# Altium PCB IF GAIN.PcbDoc
Units mil, origin at the board's own origin, x right, y up, seen from the top; angles counter-clockwise.
Board outline 2063 x 2159 mil, 4 copper layers (Top Layer, GND, PWR, Bottom Layer), stack 60.593 mil thick; 41 components, 41 nets, 234 pads, 845 vias.
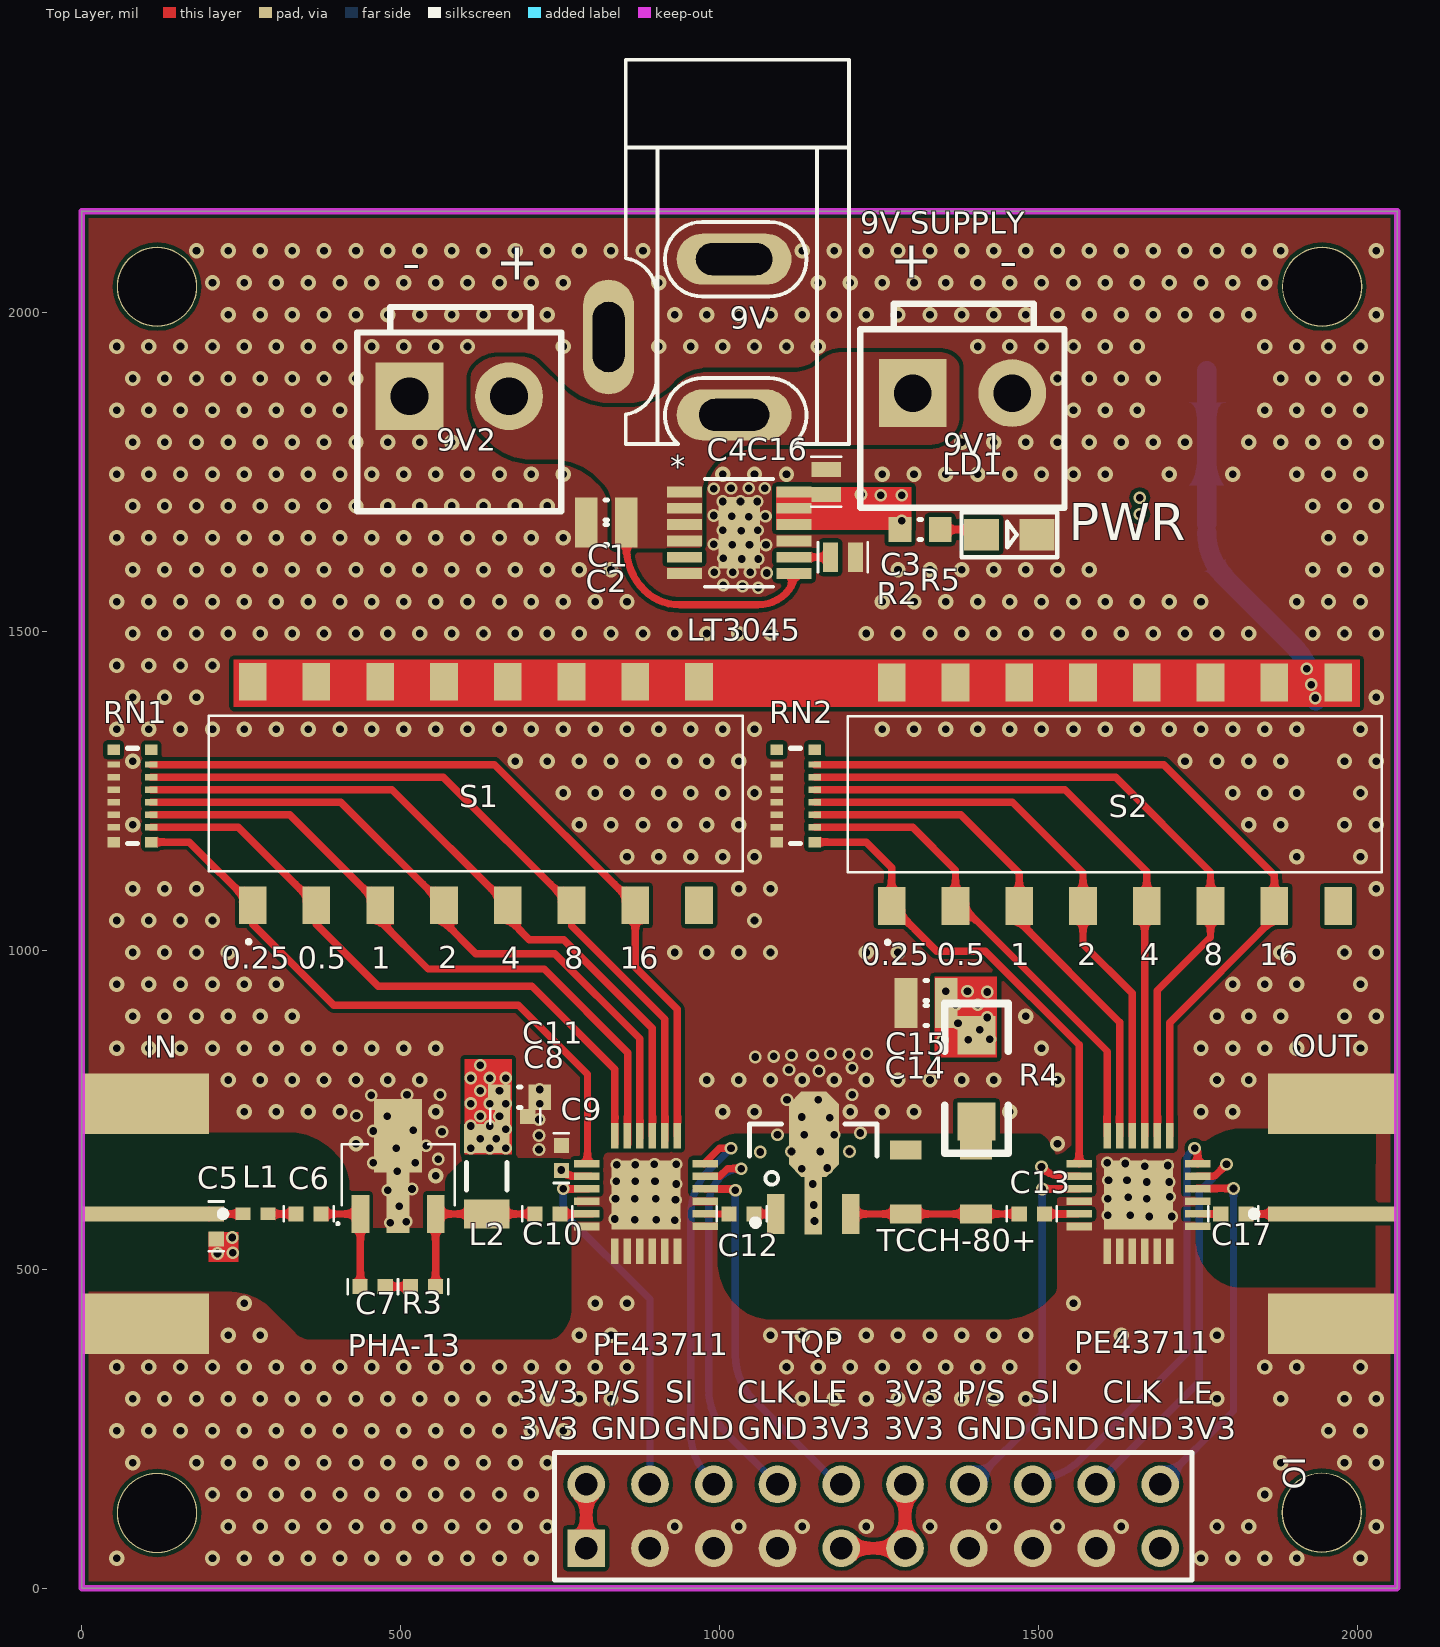
[diagram p0: Top Layer view]
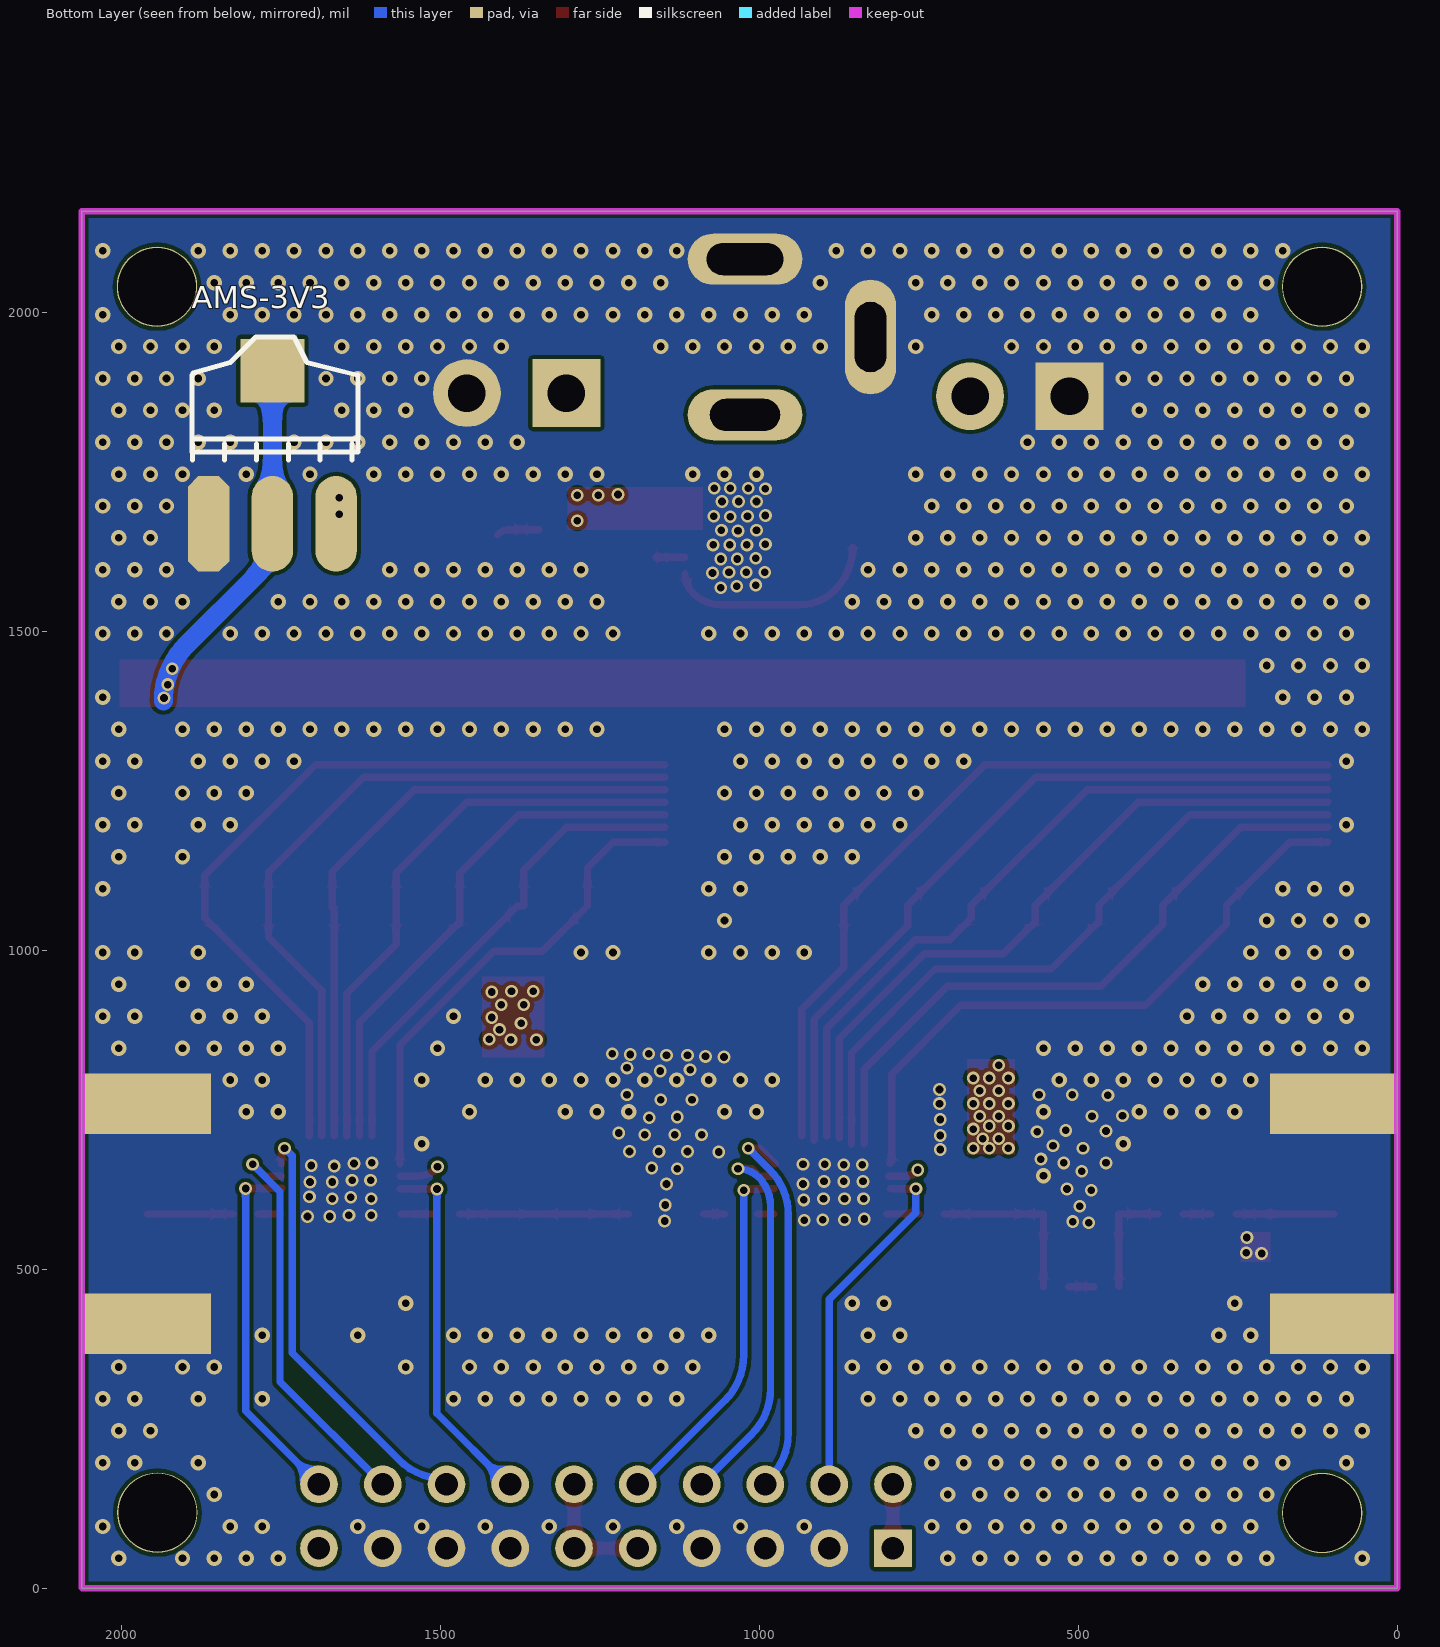
[diagram p1: Bottom Layer view, seen from below]
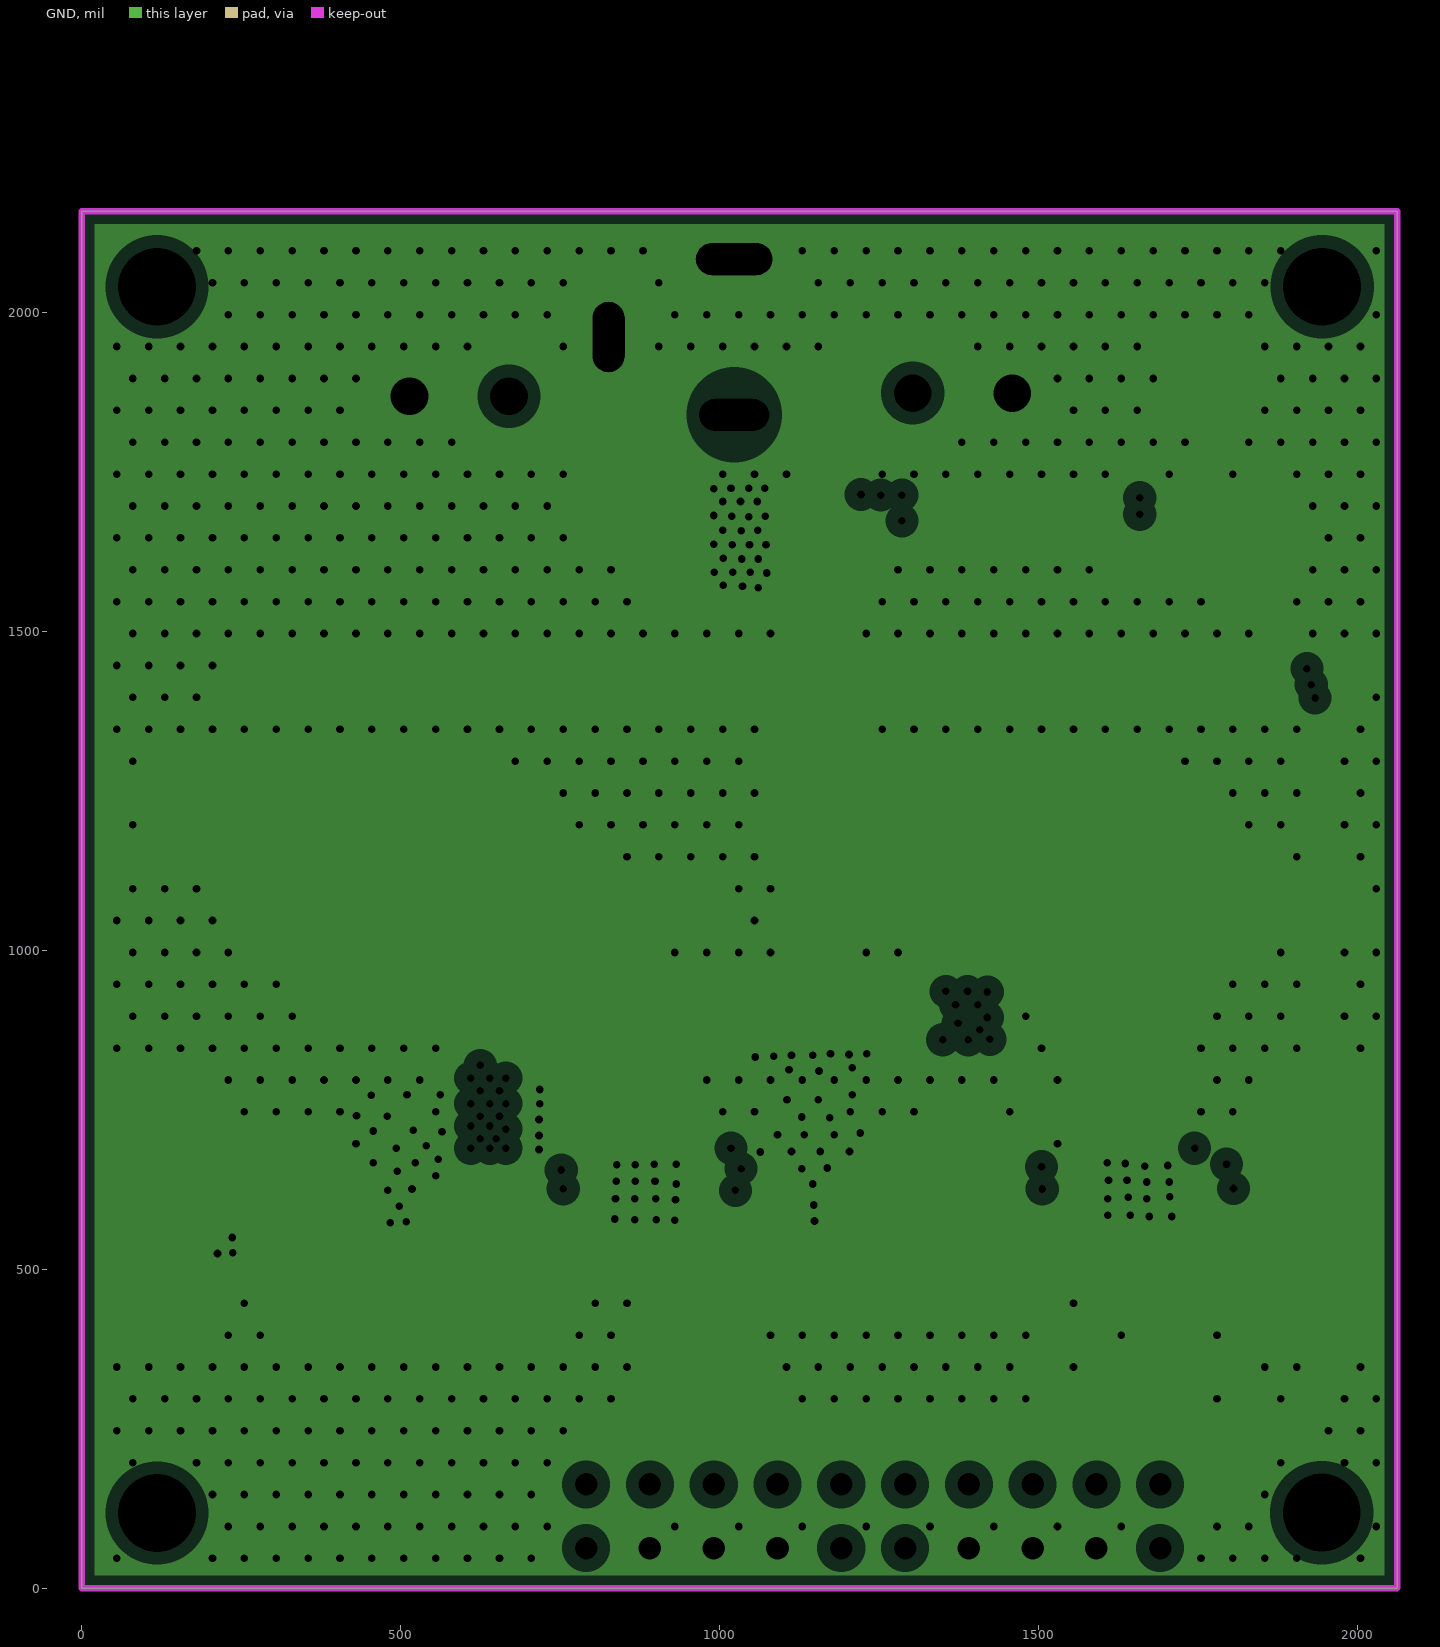
[diagram p2: GND, clearances drawn from the general rule]
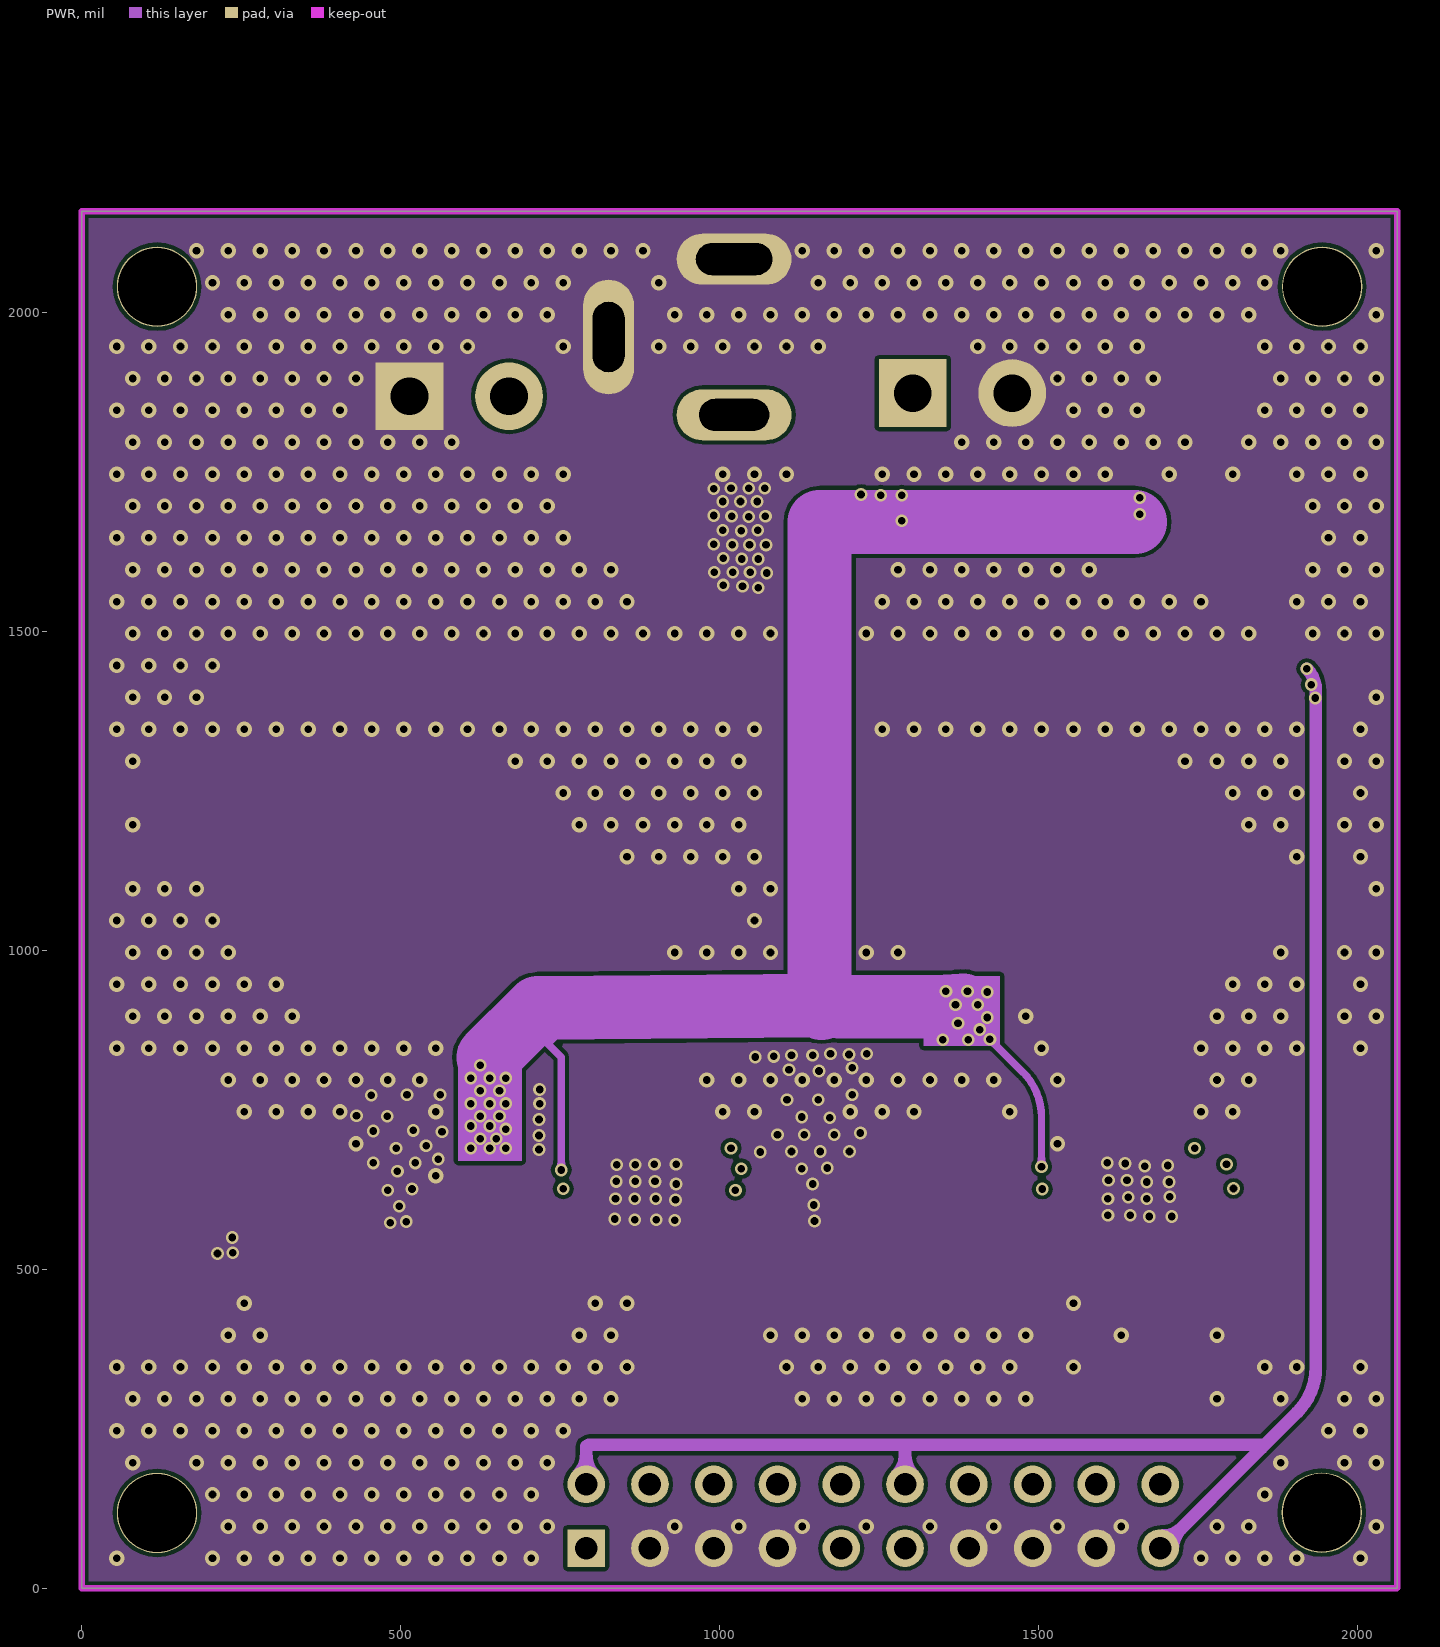
[diagram p3: PWR]

## Layer stack, top to bottom
Top Solder: solder mask 0.4, Solder Resist, Dk 3.5
Top Layer: signal copper 1.4
Dielectric 1: core 7.874, FR-4, Dk 4.2
GND: plane copper 0.0689, net GND
Dielectric 3: prepreg 41.9291, Dk 4.2
PWR: signal copper 0.0689
Dielectric 2: core 7.874, Dk 4.2
Bottom Layer: signal copper 1.378
Bottom Solder: solder mask 0.4, Solder Resist, Dk 3.5

## Board outline
0,0 0,2159 2063,2159 2063,1 2062,0

## Design rules (kind name [scope] priority, off if disabled: settings)
Clearance [All] p1: gap=6 ignorepadtopadclearanceinfootprint=FALSE except(0: Arc-Hole Track-Hole SMDPad-Hole THPad-Hole Via-Hole Fill-Hole Poly-Hole Region-Hole Text-Hole)
PlaneClearance [All] p1: clearance=20
PlaneConnect [All] p1: planeconnectstyle=Direct reliefexpansion=20 reliefentries=4 reliefconductorwidth=10 reliefairgap=10
PolygonConnect [All] p1: connectstyle=Direct reliefconductorwidth=10 reliefentries=4 polygonreliefangle="90 Angle" airgapwidth=10
RoutingVias [All] p1: holewidth=28 width=50 viastyle="Through Hole" minholewidth=28 minwidth=50 maxholewidth=28 maxwidth=50
SolderMaskExpansion [All] p1: expansion=4
Width Width_1 [InNet('5V')] p1: maxlimit=300 minlimit=10 preferedwidth=20
Width [All] p2: maxlimit=20 minlimit=10 preferedwidth=11.55
28 further rules are at their usual default settings.

## Components (designator, comment, footprint, x,y, rotation, side; value= is the part's Value field where it differs from the comment)
9V "DC005" DC10B 853,2259 r270 top locked
9V1 "3.96" 3.96 1380.95,1874 r0 top locked
9V2 "3.96" 3.96 592,1869 r0 top locked
AMS-3V3 "AMS1117-3.3" AMS1117 1864.03,1669.06 r180 bottom locked
C1 "10u" 0603C 822.5,1691 r180 top locked
C2 "4.7uF" 0603C 822.5,1652 r180 top locked
C3 "0.47uF" 0402#1 1213.37,1628 r180 top locked
C4 "10uF" 0402#1 1156,1754.37 r270 top locked
C5 "1.5pF" 0402#1 211,547.63 r90 top locked
C6 "2.2uF" 0402#1 375.37,587 r180 top locked
C7 "0.1uF" 0402#1 476,473 r180 top locked
C8 "1000pF" 0402#1 699.37,740 r180 top locked
C9 "10uF" 0603C 686.5,770 r180 top locked
C10 "2.2uF" 0402#1 750,587 r180 top locked
C11 "1uF" 0402#1 752,655 r90 top locked
C12 "10uF" 0402#1 1015,587 r0 top locked
C13 "10uF" 0402#1 1470,587 r0 top locked
C14 "100nF" 0603C 1324,898 r180 top locked
C15 "100nF" 0603C 1324,937 r180 top locked
C16 "1uF" 0402#1 1179,1715 r90 top locked
C17 "10uF" 0402#1 1786,587 r0 top locked
IN "SMA" SMA 196,582 r0 top locked
IO "Header 10X2" HDR2X10 791,63 r0 top locked
L1 "5.1nH" 0402#2 272.68,587 r0 top locked value=100uH
L2 "15uH" 1206C 635,646.06 r90 top locked value=100uH
LD1 "LED" SMDLED 1410.97,1652.06 r0 top locked
LT3045 "LT3045EMSE" MSOP12-MSE-RevG_ADI 1031,1655 r0 top locked
OUT "SMA" SMA 1864,592 r180 top locked
PE43711 "PE43711" PE43711 1657,616.53 r0 top locked (schematic designator PE43711-1)
PE43711 "PE43711" PE43711 885,616.53 r0 top locked
PHA-13 "PHA-13LN+" PHA13LN 496.06,648.42 r0 top locked
R2 "50K" 0402#1 1213.37,1605 r180 top locked
R3 "1k5" 0402#1 515.63,473 r0 top locked
R4 "24" 1206 1403,867 r270 top locked
R5 "1K" 0603R 1314.5,1660 r180 top locked
RN1 "EXB-2HV101JV" EXB2HV101JV 79.53,1242.36 r90 top locked
RN2 "EXB-2HV101JV" EXB2HV101JV 1119.53,1242.36 r90 top locked
S1 "DM-08-V-T_R" DM08VTR 618,1246 r0 top locked
S2 "DM-08-V-T_R" DM08VTR 1620,1245 r0 top locked
TCCH-80+ "TCCH-80+" GU1604 1347,637 r90 top locked
TQP "TQP369182" SOT89_M 1147.06,667.87 r0 top locked
